# Altium PCB PCB-Tester-Board.PcbDoc (part 6 of 7) (continued)
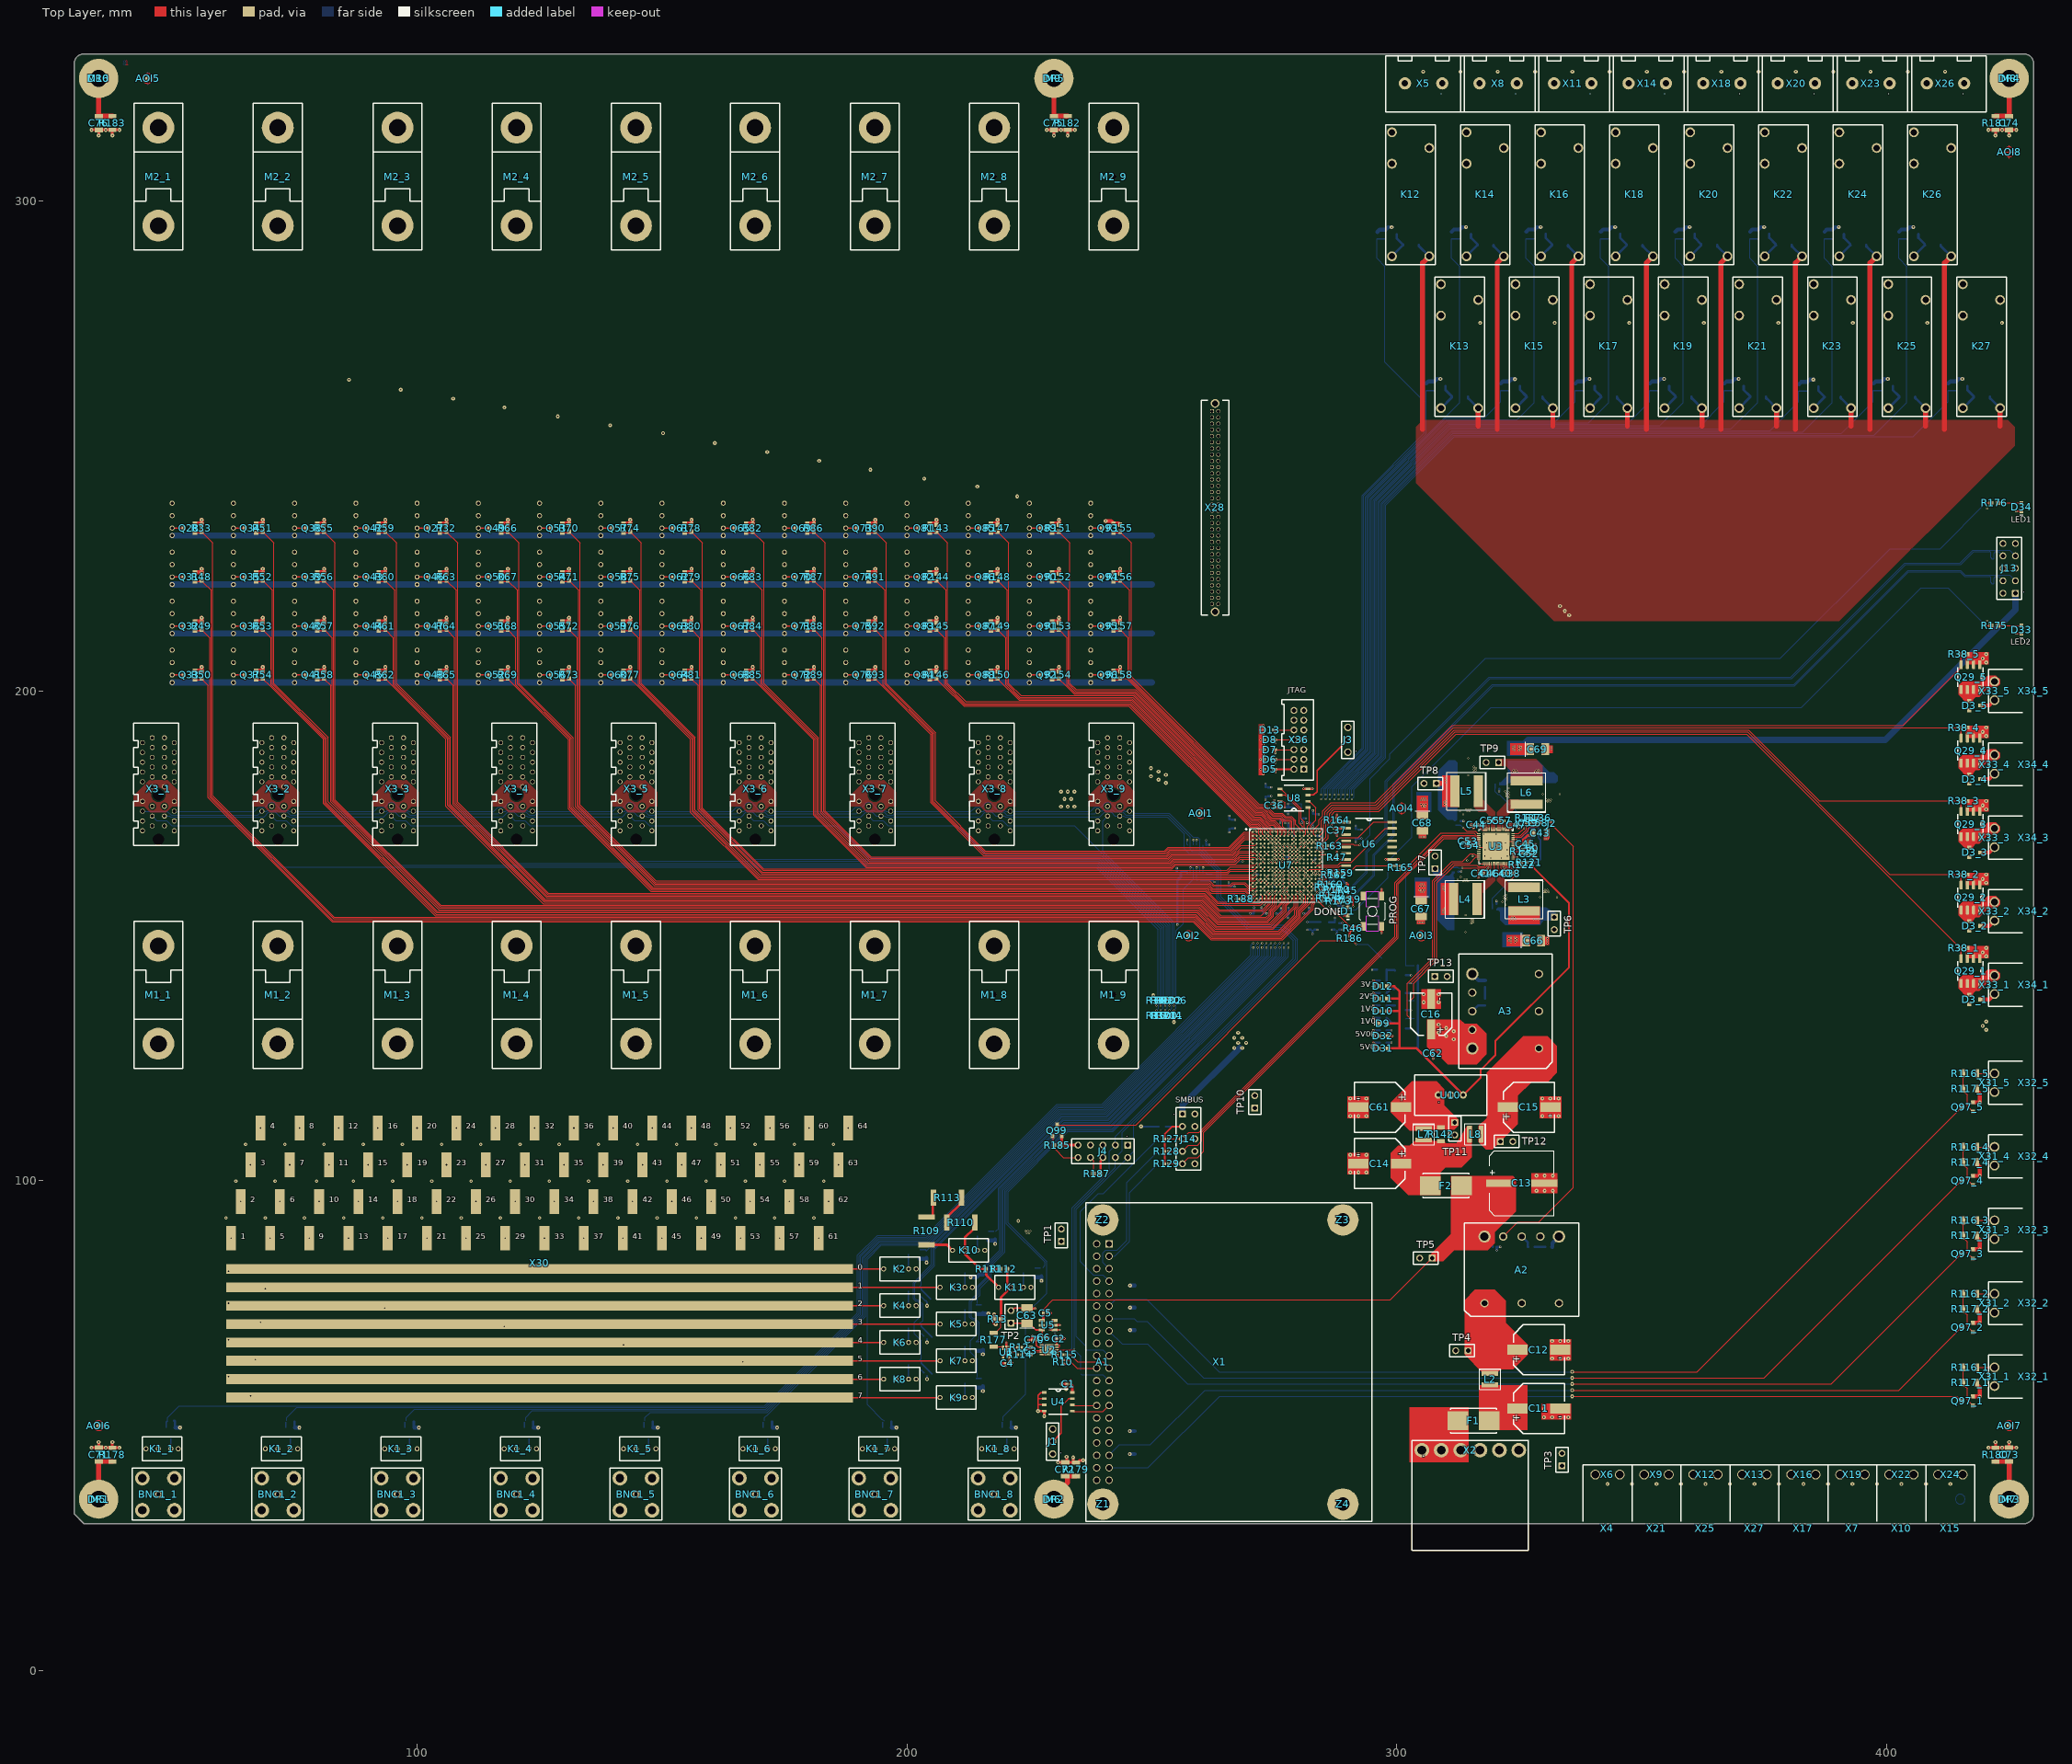
[diagram p0: Top Layer view]
## Nets (pads, with @x,y where several pads share a name; then routed paths per layer and width w, separated by ;. In a path a pad name is that pad's centre, name@x,y a point inside that pad or via, vN(x,y) a via of type N, cw(c..) or ccw(c..) an arc to the next point about the centre after c; other vN are vias at no path point) (continued)
NetK49_4: K49.4 X28.22 | length 173.8
  Inner4 w0.127: 261.645,243.75 262.903,243.75 X28.22@263.538,244.385
  Inner4 w0.203: K49.4@112.5,228.302 114.225,230.027 114.225,239.385 131.401,256.562 244.968,256.562 257.78,243.75 261.645,243.75
NetK50_2: K50.2 Q51.3 | length 2.4
  Top Layer w0.254: K50.2@112.5,213.222 Q51.3@114.85,213.222
NetK50_3: K50.3 X30.23 | length 115.2
  Inner3 w0.203: v2(106,103.25) 106,110.665 110.321,114.987 110.321,213.583 K50.3@112.5,215.762
NetK50_4: K50.4 X28.23 | length 181.8
  Inner3 w0.203: K50.4@112.5,218.302 114.679,220.481 114.679,239.197 131.589,256.108 244.78,256.108 257.773,243.115 X28.23@262.268,243.115
NetK51_2: K51.2 Q52.3 | length 2.4
  Top Layer w0.254: K51.2@112.5,203.222 Q52.3@114.85,203.222
NetK51_3: K51.3 X30.24 | length 96.9
  Inner4 w0.203: v2(108,110.75) 108,112.024 110.775,114.799 110.775,204.037 K51.3@112.5,205.762
NetK51_4: K51.4 X28.24 | length 192.8
  Inner4 w0.127: 261.645,242.48 262.903,242.48 X28.24@263.538,243.115
  Inner4 w0.203: K51.4@112.5,208.302 115.132,210.934 115.132,239.009 131.777,255.654 244.592,255.654 257.766,242.48 261.645,242.48
NetK52_2: K52.2 Q53.3 | length 2.4
  Top Layer w0.254: K52.2@125,233.222 Q53.3@127.35,233.222
NetK52_3: K52.3 X30.25 | length 153.7
  Inner3 w0.203: v2(110,88.25) 110,109.399 113.089,112.488 113.089,195.776 121.914,204.601 121.914,232.676 K52.3@125,235.762
NetK52_4: K52.4 X28.25 | length 149.8
  Inner3 w0.203: K52.4@125,238.302 126.271,239.573 141.899,255.201 244.404,255.201 257.76,241.845 X28.25@262.268,241.845
NetK53_2: K53.2 Q54.3 | length 2.4
  Top Layer w0.254: K53.2@125,223.222 Q54.3@127.35,223.222
NetK53_3: K53.3 X30.26 | length 135.4
  Inner4 w0.203: v2(112,95.75) 112,110.758 113.543,112.3 113.543,195.588 122.368,204.413 122.368,223.13 K53.3@125,225.762
NetK53_4: K53.4 X28.26 | length 160.8
  Inner4 w0.127: 261.645,241.21 262.903,241.21 X28.26@263.538,241.845
  Inner4 w0.203: K53.4@125,228.302 126.725,230.027 126.725,239.385 142.087,254.747 244.216,254.747 257.753,241.21 261.645,241.21
NetK54_2: K54.2 Q55.3 | length 2.4
  Top Layer w0.254: K54.2@125,213.222 Q55.3@127.35,213.222
NetK54_3: K54.3 X30.27 | length 117.1
  Inner3 w0.203: v2(114,103.25) 113.996,103.254 113.996,195.4 122.821,204.225 122.821,213.583 K54.3@125,215.762
NetK54_4: K54.4 X28.27 | length 168.8
  Inner3 w0.203: K54.4@125,218.302 127.179,220.481 127.179,239.197 142.275,254.293 244.028,254.293 257.747,240.575 X28.27@262.268,240.575
NetK55_2: K55.2 Q56.3 | length 2.4
  Top Layer w0.254: K55.2@125,203.222 Q56.3@127.35,203.222
NetK55_3: K55.3 X30.28 | length 100
  Inner4 w0.203: v2(116,110.75) 114.45,112.3 114.45,117.525 114.45,195.212 123.275,204.037 K55.3@125,205.762
NetK55_4: K55.4 X28.28 | length 179.9
  Inner4 w0.127: 261.645,239.94 262.903,239.94 X28.28@263.538,240.575
  Inner4 w0.203: K55.4@125,208.302 127.632,210.934 127.632,239.009 142.462,253.84 243.84,253.84 257.74,239.94 261.645,239.94
NetK56_2: K56.2 Q57.3 | length 2.4
  Top Layer w0.254: K56.2@137.5,233.222 Q57.3@139.85,233.222
NetK56_3: K56.3 X30.29 | length 155.6
  Inner3 w0.203: v2(118,88.25) 118,108.125 126.725,116.85 126.725,196.912 134.414,204.601 134.414,232.676 K56.3@137.5,235.762
NetK56_4: K56.4 X28.29 | length 136.8
  Inner3 w0.203: K56.4@137.5,238.302 138.771,239.573 152.584,253.386 243.653,253.386 257.734,239.305 X28.29@262.268,239.305
NetK57_2: K57.2 Q58.3 | length 2.4
  Top Layer w0.254: K57.2@137.5,223.222 Q58.3@139.85,223.222
NetK57_3: K57.3 X30.30 | length 137.3
  Inner4 w0.203: v2(120,95.75) 120,109.483 127.179,116.662 127.179,196.724 134.868,204.413 134.868,223.13 K57.3@137.5,225.762
NetK57_4: K57.4 X28.30 | length 147.9
  Inner4 w0.127: 261.645,238.67 262.903,238.67 X28.30@263.538,239.305
  Inner4 w0.203: K57.4@137.5,228.302 139.225,230.027 139.225,239.385 152.772,252.932 243.465,252.932 257.727,238.67 261.645,238.67
NetK58_2: K58.2 Q59.3 | length 2.4
  Top Layer w0.254: K58.2@137.5,213.222 Q59.3@139.85,213.222
NetK58_3: K58.3 X30.31 | length 118.9
  Inner3 w0.203: v2(122,103.25) 122,110.842 127.632,116.474 127.632,196.536 135.321,204.225 135.321,213.583 K58.3@137.5,215.762
NetK58_4: K58.4 X28.31 | length 155.9
  Inner3 w0.203: K58.4@137.5,218.302 139.679,220.481 139.679,239.197 152.96,252.479 243.277,252.479 257.72,238.035 X28.31@262.268,238.035
NetK59_2: K59.2 Q60.3 | length 2.4
  Top Layer w0.254: K59.2@137.5,203.222 Q60.3@139.85,203.222
NetK59_3: K59.3 X30.32 | length 100.6
  Inner4 w0.203: v2(124,110.75) 124,112.2 128.086,116.286 128.086,196.348 135.775,204.037 K59.3@137.5,205.762
NetK59_4: K59.4 X28.32 | length 166.9
  Inner4 w0.127: 261.645,237.4 262.903,237.4 X28.32@263.538,238.035
  Inner4 w0.203: K59.4@137.5,208.302 140.132,210.934 140.132,239.009 153.148,252.025 243.089,252.025 257.714,237.4 261.645,237.4
NetK60_2: K60.2 Q61.3 | length 2.4
  Top Layer w0.254: K60.2@150,233.222 Q61.3@152.35,233.222
NetK60_3: K60.3 X30.33 | length 157.5
  Inner3 w0.203: v2(126,88.25) 126,108.037 130.639,112.676 130.639,188.326 146.914,204.601 146.914,232.676 K60.3@150,235.762
NetK60_4: K60.4 X28.33 | length 123.9
  Inner3 w0.203: K60.4@150,238.302 163.269,251.571 242.901,251.571 257.707,236.765 X28.33@262.268,236.765
NetK61_2: K61.2 Q62.3 | length 2.4
  Top Layer w0.254: K61.2@150,223.222 Q62.3@152.35,223.222
NetK61_3: K61.3 X30.34 | length 139.1
  Inner4 w0.203: v2(128,95.75) 128,109.395 131.093,112.488 131.093,188.138 147.368,204.413 147.368,223.13 K61.3@150,225.762
NetK61_4: K61.4 X28.34 | length 134.9
  Inner4 w0.127: 261.645,236.13 262.903,236.13 X28.34@263.538,236.765
  Inner4 w0.203: K61.4@150,228.302 151.725,230.027 151.725,239.385 163.457,251.118 242.713,251.118 257.701,236.13 261.645,236.13
NetK62_2: K62.2 Q63.3 | length 2.4
  Top Layer w0.254: K62.2@150,213.222 Q63.3@152.35,213.222
NetK62_3: K62.3 X30.35 | length 120.8
  Inner3 w0.203: v2(130,103.25) 130,110.753 131.546,112.3 131.546,187.95 147.821,204.225 147.821,213.583 K62.3@150,215.762
NetK62_4: K62.4 X28.35 | length 142.9
  Inner3 w0.203: K62.4@150,218.302 152.179,220.481 152.179,239.197 163.645,250.664 242.525,250.664 257.694,235.495 X28.35@262.268,235.495
NetK63_2: K63.2 Q64.3 | length 2.4
  Top Layer w0.254: K63.2@150,203.222 Q64.3@152.35,203.222
NetK63_3: K63.3 X30.36 | length 102.5
  Inner4 w0.203: v2(132,110.75) 132,120.858 132,187.762 148.275,204.037 K63.3@150,205.762
NetK63_4: K63.4 X28.36 | length 154
  Inner4 w0.127: 261.645,234.86 262.903,234.86 X28.36@263.538,235.495
  Inner4 w0.203: K63.4@150,208.302 152.632,210.934 152.632,239.009 163.833,250.21 242.337,250.21 257.688,234.86 261.645,234.86
NetK64_2: K64.2 Q65.3 | length 2.4
  Top Layer w0.254: K64.2@162.5,233.222 Q65.3@164.85,233.222
NetK64_3: K64.3 X30.37 | length 159.3
  Inner3 w0.203: v2(134,88.25) 134,112.25 135.546,113.796 135.546,151.763 153.412,169.628 153.412,198.598 159.414,204.601 159.414,232.676 K64.3@162.5,235.762
NetK64_4: K64.4 X28.37 | length 110.9
  Inner3 w0.203: K64.4@162.5,238.302 173.955,249.757 242.149,249.757 257.681,234.225 X28.37@262.268,234.225
NetK65_2: K65.2 Q66.3 | length 2.4
  Top Layer w0.254: K65.2@162.5,223.222 Q66.3@164.85,223.222
NetK65_3: K65.3 X30.38 | length 141
  Inner4 w0.203: v2(136,95.75) 136,151.575 153.865,169.44 153.865,198.41 159.868,204.413 159.868,223.13 K65.3@162.5,225.762
NetK65_4: K65.4 X28.38 | length 122
  Inner4 w0.127: 261.645,233.59 262.903,233.59 X28.38@263.538,234.225
  Inner4 w0.203: K65.4@162.5,228.302 164.225,230.027 164.225,239.385 174.143,249.303 241.961,249.303 257.675,233.59 261.645,233.59
NetK66_2: K66.2 Q67.3 | length 2.4
  Top Layer w0.254: K66.2@162.5,213.222 Q67.3@164.85,213.222
NetK66_3: K66.3 X30.39 | length 123.9
  Inner3 w0.203: v2(138,103.25) 138,112.108 136.454,113.655 136.454,151.387 154.319,169.252 154.319,198.222 160.321,204.225 160.321,213.583 K66.3@162.5,215.762
NetK66_4: K66.4 X28.39 | length 130
  Inner3 w0.203: K66.4@162.5,218.302 164.679,220.481 164.679,239.197 174.331,248.849 241.773,248.849 257.668,232.955 X28.39@262.268,232.955
NetK67_2: K67.2 Q68.3 | length 2.4
  Top Layer w0.254: K67.2@162.5,203.222 Q68.3@164.85,203.222
NetK67_3: K67.3 X30.40 | length 106.9
  Inner4 w0.203: v2(140,110.75) 136.907,113.843 136.907,151.199 154.773,169.064 154.773,198.035 K67.3@162.5,205.762
NetK67_4: K67.4 X28.40 | length 141
  Inner4 w0.127: 261.645,232.32 262.903,232.32 X28.40@263.538,232.955
  Inner4 w0.203: K67.4@162.5,208.302 165.132,210.934 165.132,239.009 174.519,248.396 241.586,248.396 257.661,232.32 261.645,232.32
NetK68_2: K68.2 Q69.3 | length 2.4
  Top Layer w0.254: K68.2@175,233.222 Q69.3@177.35,233.222
NetK68_3: K68.3 X30.41 | length 161.2
  Inner3 w0.203: v2(142,88.25) 142,107.7 152.178,117.878 152.178,153.837 158.099,159.758 158.099,190.786 171.914,204.601 171.914,232.676 K68.3@175,235.762
NetK68_4: K68.4 X28.41 | length 98
  Inner3 w0.203: K68.4@175,238.302 176.271,239.573 184.64,247.942 241.398,247.942 257.655,231.685 X28.41@262.268,231.685
NetK69_2: K69.2 Q70.3 | length 2.4
  Top Layer w0.254: K69.2@175,223.222 Q70.3@177.35,223.222
NetK69_3: K69.3 X30.42 | length 142.9
  Inner4 w0.203: v2(144,95.75) 144,109.058 152.631,117.69 152.632,153.649 158.553,159.57 158.553,190.598 172.368,204.413 172.368,223.13 K69.3@175,225.762
NetK69_4: K69.4 X28.42 | length 109
  Inner4 w0.127: 261.645,231.05 262.903,231.05 X28.42@263.538,231.685
  Inner4 w0.203: K69.4@175,228.302 176.725,230.027 176.725,239.385 184.828,247.489 241.21,247.489 257.648,231.05 261.645,231.05
NetK70_2: K70.2 Q71.3 | length 2.4
  Top Layer w0.254: K70.2@175,213.222 Q71.3@177.35,213.222
NetK70_3: K70.3 X30.43 | length 124.5
  Inner3 w0.203: v2(146,103.25) 146,110.417 153.085,117.502 153.085,153.461 159.006,159.382 159.006,190.41 172.821,204.225 172.821,213.583 K70.3@175,215.762
NetK70_4: K70.4 X28.43 | length 117
  Inner3 w0.203: K70.4@175,218.302 177.179,220.481 177.179,239.197 185.016,247.035 241.022,247.035 257.642,230.415 X28.43@262.268,230.415
NetK71_2: K71.2 Q72.3 | length 2.4
  Top Layer w0.254: K71.2@175,203.222 Q72.3@177.35,203.222
NetK71_3: K71.3 X30.44 | length 106.2
  Inner4 w0.203: v2(148,110.75) 148,111.775 153.539,117.314 153.539,153.273 159.46,159.194 159.46,190.222 K71.3@175,205.762
NetK71_4: K71.4 X28.44 | length 128.1
  Inner4 w0.127: 261.645,229.78 262.903,229.78 X28.44@263.538,230.415
  Inner4 w0.203: K71.4@175,208.302 177.632,210.934 177.632,239.009 185.204,246.581 240.834,246.581 257.635,229.78 261.645,229.78
NetK72_2: K72.2 Q73.3 | length 2.4
  Top Layer w0.254: K72.2@187.5,233.222 Q73.3@189.85,233.222
NetK72_3: K72.3 X30.45 | length 163
  Inner3 w0.203: v2(150,88.25) 150,107.75 156.222,113.972 156.222,151.422 176.117,171.317 176.117,196.304 184.414,204.601 184.414,232.676 K72.3@187.5,235.762
NetK72_4: K72.4 X28.45 | length 85
  Inner3 w0.203: K72.4@187.5,238.302 195.326,246.128 240.646,246.128 257.629,229.145 X28.45@262.268,229.145
NetK73_2: K73.2 Q74.3 | length 2.4
  Top Layer w0.254: K73.2@187.5,223.222 Q74.3@189.85,223.222
NetK73_3: K73.3 X30.46 | length 144.7
  Inner4 w0.203: v2(152,95.75) 152,109.108 156.676,113.784 156.676,151.234 176.571,171.129 176.571,196.116 184.868,204.413 184.868,223.13 K73.3@187.5,225.762
NetK73_4: K73.4 X28.46 | length 96.1
  Inner4 w0.127: 261.645,228.51 262.903,228.51 X28.46@263.538,229.145
  Inner4 w0.203: K73.4@187.5,228.302 189.225,230.027 189.225,239.385 195.513,245.674 240.458,245.674 257.622,228.51 261.645,228.51
NetK74_2: K74.2 Q75.3 | length 2.4
  Top Layer w0.254: K74.2@187.5,213.222 Q75.3@189.85,213.222
NetK74_3: K74.3 X30.47 | length 126.4
  Inner3 w0.203: v2(154,103.25) 154,110.467 157.129,113.596 157.129,151.046 177.024,170.941 177.024,195.928 185.321,204.225 185.321,213.583 K74.3@187.5,215.762
NetK74_4: K74.4 X28.47 | length 104.1
  Inner3 w0.203: K74.4@187.5,218.302 189.679,220.481 189.679,239.197 195.701,245.22 240.27,245.22 257.615,227.875 X28.47@262.268,227.875
NetK75_2: K75.2 Q76.3 | length 2.4
  Top Layer w0.254: K75.2@187.5,203.222 Q76.3@189.85,203.222
NetK75_3: K75.3 X30.48 | length 108.1
  Inner4 w0.203: v2(156,110.75) 156,111.825 157.583,113.408 157.583,150.858 177.478,170.753 177.478,195.74 K75.3@187.5,205.762
NetK75_4: K75.4 X28.48 | length 115.1
  Inner4 w0.127: 261.645,227.24 262.903,227.24 X28.48@263.538,227.875
  Inner4 w0.203: K75.4@187.5,208.302 190.132,210.934 190.132,239.009 195.889,244.767 240.082,244.767 257.609,227.24 261.645,227.24
NetK76_2: K76.2 Q81.3 | length 2.4
  Top Layer w0.254: K76.2@200,233.222 Q81.3@202.35,233.222
NetK76_3: K76.3 X30.49 | length 164.9
  Inner3 w0.203: v2(158,88.25) 158,109.517 161.093,112.609 161.093,150.497 179.725,169.13 179.725,187.411 191.542,199.228 196.914,204.601 196.914,232.676 K76.3@200,235.762
NetK76_4: K76.4 X28.49 | length 72.1
  Inner3 w0.203: K76.4@200,238.302 201.271,239.573 206.011,244.313 239.894,244.313 257.602,226.605 X28.49@262.268,226.605
NetK77_2: K77.2 Q82.3 | length 2.4
  Top Layer w0.254: K77.2@200,223.222 Q82.3@202.35,223.222
NetK77_3: K77.3 X30.50 | length 146.6
  Inner4 w0.203: v2(160,95.75) 160,110.875 161.546,112.421 161.546,150.31 180.178,168.942 180.178,187.224 191.729,198.775 197.368,204.413 197.368,223.13 K77.3@200,225.762
NetK77_4: K77.4 X28.50 | length 83.1
  Inner4 w0.127: 261.645,225.97 262.903,225.97 X28.50@263.538,226.605
  Inner4 w0.203: K77.4@200,228.302 201.725,230.027 201.725,239.385 206.199,243.859 239.706,243.859 257.596,225.97 261.645,225.97
NetK78_2: K78.2 Q83.3 | length 2.4
  Top Layer w0.254: K78.2@200,213.222 Q83.3@202.35,213.222
NetK78_3: K78.3 X30.51 | length 128.3
  Inner3 w0.203: v2(162,103.25) 162,150.122 180.632,168.754 180.632,187.036 191.917,198.321 197.821,204.225 197.821,213.583 K78.3@200,215.762
NetK78_4: K78.4 X28.51 | length 91.1
  Inner3 w0.203: K78.4@200,218.302 202.179,220.481 202.179,239.197 206.387,243.406 239.519,243.406 257.589,225.335 X28.51@262.268,225.335
NetK79_2: K79.2 Q84.3 | length 2.4
  Top Layer w0.254: K79.2@200,203.222 Q84.3@202.35,203.222
NetK79_3: K79.3 X30.52 | length 111.2
  Inner4 w0.203: v2(164,110.75) 162.454,112.296 162.454,149.934 181.086,168.566 181.086,186.848 198.275,204.037 K79.3@200,205.762
NetK79_4: K79.4 X28.52 | length 102.2
  Inner4 w0.127: 261.645,224.7 262.903,224.7 X28.52@263.538,225.335
  Inner4 w0.203: K79.4@200,208.302 202.632,210.934 202.632,239.009 206.575,242.952 239.331,242.952 257.583,224.7 261.645,224.7
NetK80_2: K80.2 Q85.3 | length 2.4
  Top Layer w0.254: K80.2@212.5,233.222 Q85.3@214.85,233.222
NetK80_3: K80.3 X30.53 | length 166.8
  Inner3 w0.203: v2(166,88.25) 166,107.8 178.069,119.869 178.069,148.334 202.243,172.508 202.243,197.43 209.414,204.601 209.414,232.676 K80.3@212.5,235.762
NetK80_4: K80.4 X28.53 | length 59.1
  Inner3 w0.203: K80.4@212.5,238.302 213.771,239.573 216.696,242.498 239.143,242.498 257.576,224.065 X28.53@262.268,224.065
NetK81_2: K81.2 Q86.3 | length 2.4
  Top Layer w0.254: K81.2@212.5,223.222 Q86.3@214.85,223.222
NetK81_3: K81.3 X30.54 | length 148.4
  Inner4 w0.203: v2(168,95.75) 168,109.158 178.523,119.681 178.523,148.146 202.697,172.32 202.697,197.242 209.868,204.413 209.868,223.13 K81.3@212.5,225.762
NetK81_4: K81.4 X28.54 | length 70.2
  Inner4 w0.127: 261.645,223.43 262.903,223.43 X28.54@263.538,224.065
  Inner4 w0.203: K81.4@212.5,228.302 214.225,230.027 214.225,239.385 216.884,242.045 238.955,242.045 257.569,223.43 261.645,223.43
NetK82_2: K82.2 Q87.3 | length 2.4
  Top Layer w0.254: K82.2@212.5,213.222 Q87.3@214.85,213.222
NetK82_3: K82.3 X30.55 | length 130.1
  Inner3 w0.203: v2(170,103.25) 170,110.517 178.976,119.493 178.976,147.958 203.15,172.132 203.15,197.054 210.321,204.225 210.321,213.583 K82.3@212.5,215.762
NetK82_4: K82.4 X28.55 | length 78.2
  Inner3 w0.203: K82.4@212.5,218.302 214.679,220.481 214.679,239.197 217.072,241.591 238.767,241.591 257.563,222.795 X28.55@262.268,222.795
NetK83_2: K83.2 Q88.3 | length 2.4
  Top Layer w0.254: K83.2@212.5,203.222 Q88.3@214.85,203.222
NetK83_3: K83.3 X30.56 | length 111.8
  Inner4 w0.203: v2(172,110.75) 172,111.875 179.43,119.305 179.43,147.77 203.604,171.944 203.604,196.866 210.775,204.037 K83.3@212.5,205.762
NetK83_4: K83.4 X28.56 | length 89.2
  Inner4 w0.127: 261.645,222.16 262.903,222.16 X28.56@263.538,222.795
  Inner4 w0.203: K83.4@212.5,208.302 215.132,210.934 215.132,239.009 217.26,241.137 238.579,241.137 257.556,222.16 261.645,222.16
NetK84_2: K84.2 Q89.3 | length 2.4
  Top Layer w0.254: K84.2@225,233.222 Q89.3@227.35,233.222
NetK84_3: K84.3 X30.57 | length 168.6
  Inner3 w0.203: v2(174,88.25) 174,108 182.462,116.462 182.462,147.506 206.714,171.757 206.714,189.4 221.914,204.601 221.914,232.676 K84.3@225,235.762
NetK84_4: K84.4 X28.57 | length 46.2
  Inner3 w0.203: K84.4@225,238.302 227.382,240.684 238.391,240.684 257.55,221.525 X28.57@262.268,221.525
NetK85_2: K85.2 Q90.3 | length 2.4
  Top Layer w0.254: K85.2@225,223.222 Q90.3@227.35,223.222
NetK85_3: K85.3 X30.58 | length 150.3
  Inner4 w0.203: v2(176,95.75) 176,109.358 182.916,116.274 182.916,147.318 207.167,171.569 207.167,189.212 222.368,204.413 222.368,223.13 K85.3@225,225.762
NetK85_4: K85.4 X28.58 | length 57.2
  Inner4 w0.127: 261.645,220.89 262.903,220.89 X28.58@263.538,221.525
  Inner4 w0.203: K85.4@225,228.302 226.725,230.027 226.725,239.385 227.57,240.23 238.203,240.23 257.543,220.89 261.645,220.89
NetK86_2: K86.2 Q91.3 | length 2.4
  Top Layer w0.254: K86.2@225,213.222 Q91.3@227.35,213.222
NetK86_3: K86.3 X30.59 | length 132
  Inner3 w0.203: v2(178,103.25) 178,110.717 183.369,116.086 183.369,147.13 207.621,171.381 207.621,189.024 222.821,204.225 222.821,213.583 K86.3@225,215.762
NetK86_4: K86.4 X28.59 | length 65.2
  Inner3 w0.203: K86.4@225,218.302 227.179,220.481 227.179,239.197 227.757,239.776 238.015,239.776 257.537,220.255 X28.59@262.268,220.255
NetK87_2: K87.2 Q92.3 | length 2.4
  Top Layer w0.254: K87.2@225,203.222 Q92.3@227.35,203.222
NetK87_3: K87.3 X30.60 | length 113.7
  Inner4 w0.203: v2(180,110.75) 180,112.075 183.823,115.898 183.823,146.942 208.074,171.193 208.074,188.836 223.275,204.037 K87.3@225,205.762
NetK87_4: K87.4 X28.60 | length 76.3
  Inner4 w0.127: 261.645,219.62 262.903,219.62 X28.60@263.538,220.255
  Inner4 w0.203: K87.4@225,208.302 227.632,210.934 227.632,239.009 227.945,239.323 237.827,239.323 257.53,219.62 261.645,219.62
NetK88_2: K88.2 Q93.3 | length 2.4
  Top Layer w0.254: K88.2@237.5,233.222 Q93.3@239.85,233.222
NetK88_3: K88.3 X30.61 | length 170.5
  Inner3 w0.203: v2(182,88.25) 182,107.941 204.133,130.074 204.133,147.781 228.381,172.028 228.381,198.568 234.414,204.601 234.414,232.676 K88.3@237.5,235.762
NetK88_4: K88.4 X28.61 | length 32.8
  Inner3 w0.203: K88.4@237.5,238.302 238.206,238.302 257.523,218.985 X28.61@262.268,218.985
NetK89_2: K89.2 Q94.3 | length 2.4
  Top Layer w0.254: K89.2@237.5,223.222 Q94.3@239.85,223.222
NetK89_3: K89.3 X30.62 | length 152.2
  Inner4 w0.203: v2(184,95.75) 184,109.299 204.587,129.886 204.587,147.593 228.835,171.84 228.835,198.38 234.868,204.413 234.868,223.13 K89.3@237.5,225.762
NetK89_4: K89.4 X28.62 | length 30.4
  Inner4 w0.127: 261.645,218.35 262.903,218.35 X28.62@263.538,218.985
  Inner4 w0.203: K89.4@237.5,228.302 247.565,228.302 257.517,218.35 261.645,218.35
NetK90_2: K90.2 Q95.3 | length 2.4
  Top Layer w0.254: K90.2@237.5,213.222 Q95.3@239.85,213.222
NetK90_3: K90.3 X30.63 | length 133.8
  Inner3 w0.203: v2(186,103.25) 186,110.658 205,129.658 205,147.364 229.288,171.653 229.288,198.192 235.321,204.225 235.321,213.583 K90.3@237.5,215.762
NetK90_4: K90.4 X28.63 | length 25
  Inner3 w0.203: K90.4@237.5,218.302 238.087,217.715 X28.63@262.268,217.715
NetK91_2: K91.2 Q96.3 | length 2.4
  Top Layer w0.254: K91.2@237.5,203.222 Q96.3@239.85,203.222
NetK91_3: K91.3 X30.64 | length 115.5
  Inner4 w0.203: v2(188,110.75) 188,112.016 205.494,129.511 205.494,147.217 229.742,171.465 229.742,198.004 K91.3@237.5,205.762
NetK91_4: K91.4 X28.64 | length 32.8
  Inner4 w0.203: K91.4@237.5,208.302 257.629,208.302 264.516,215.189 264.516,216.737 X28.64@263.538,217.715
NetPROG_1: PROG.1 R46.1 U7.P9 | length 21
  Top Layer w0.152: v1(276.6,160.4) U7.P9@277,160.8 ; v1(286.278,156) 290.378,151.9 R46.1@291.1,151.9
  Top Layer w0.254: R46.1@291.1,151.9 PROG.1@293.15,151.9
  Inner2 w0.152: v1(276.6,160.4) 277.458,160.4 278.338,159.521 280.638,159.521 281.079,159.08 281.079,158.5 282.018,157.561 283.078,157.561 284.639,156 v1(286.278,156)
NetPROG_2: PROG.2
NetQ30_3: Q30.3 R99.1 | length 2.2
  Bottom Layer w0.47: R99.1@297.867,133.235 298.032,133.07 298.095,133.07 298.92,132.245 299.435,132.245 Q30.3@299.6,132.08
NetQ78_3: Q78.3 R101.1 | length 1.7
  Bottom Layer w0.47: R101.1@297.867,135.775 297.878,135.763 Q78.3@299.6,135.763
NetQ79_3: Q79.3 R103.1 | length 2.1
  Bottom Layer w0.47: R103.1@297.867,138.315 298.032,138.48 298.097,138.48 298.805,139.188 299.488,139.188 Q79.3@299.6,139.3
NetQ80_3: Q80.3 Q98.1 R105.1 | length 4.1
  Bottom Layer w0.47: R105.1@297.867,140.855 297.867,142.9 Q98.1@297.867,143.1 298.004,142.963 299.537,142.963 Q80.3@299.6,142.9
NetQ97_1_1: Q97_1.1 R116_1.2 R117_1.2 | length 8.7
  Top Layer w0.152: R116_1.2@415.6,61.905 R117_1.2@415.6,58.802 415.949,58.453 415.949,58.047 416.428,57.568 416.428,55.222 417.55,54.1 Q97_1.1@417.6,54.1
NetQ97_2_1: Q97_2.1 R116_2.2 R117_2.2 | length 8.6
  Top Layer w0.152: R116_2.2@415.6,76.905 R117_2.2@415.6,73.802 415.949,73.453 415.949,73.047 416.428,72.568 416.428,70.222 Q97_2.1@417.55,69.1
NetQ97_3_1: Q97_3.1 R116_3.2 R117_3.2 | length 8.6
  Top Layer w0.152: R116_3.2@415.6,91.905 R117_3.2@415.6,88.802 415.949,88.453 415.949,88.047 416.428,87.568 416.428,85.222 Q97_3.1@417.55,84.1
NetQ97_4_1: Q97_4.1 R116_4.2 R117_4.2 | length 8.6
  Top Layer w0.152: R116_4.2@415.6,106.905 R117_4.2@415.6,103.802 415.949,103.453 415.949,103.047 416.428,102.568 416.428,100.222 Q97_4.1@417.55,99.1
NetQ97_5_1: Q97_5.1 R116_5.2 R117_5.2 | length 8.6
  Top Layer w0.152: R116_5.2@415.6,121.905 R117_5.2@415.6,118.802 415.949,118.453 415.949,118.047 416.428,117.568 416.428,115.222 Q97_5.1@417.55,114.1
NetR12_2: R12.2 U1.1 U1.4 | length 4.3
  Top Layer w0.127: U1.1@220.9,65.9 222.581,65.9 R12.2@222.637,65.956
  Top Layer w0.152: U1.4@219.6,64.1 219.6,64.222 219.759,64.381 220.05,64.381 220.9,65.231 U1.1@220.9,65.9
NetR39_1: R39.1 R40.2 | length 2.1
  Bottom Layer w0.508: R39.1@328.2,86.5 R40.2@330.3,86.5
NetR41_1: R41.1 R42.2 | length 2.3
  Bottom Layer w0.508: R41.1@318,137.2 R42.2@318,139.5
NetR43_1: R43.1 Y1.3 | length 1.4
  Bottom Layer w0.152: Y1.3@278.975,173.95 278.984,173.941 R43.1@278.984,172.55
NetR44_1: R44.1 U7.P7 | length 1.3
  Top Layer w0.152: v1(275,160.4) U7.P7@275.4,160.8
  Bottom Layer w0.203: v1(275,160.4) 275,159.8 R44.1@275.1,159.7
NetR45_1: R45.1 R119.1 U7.P10 | length 19.9
  Top Layer w0.152: U7.P10@277.8,160.8 v1(278.2,160.4)
  Top Layer w0.254: R45.1@290,158.8 R119.1@290,157.9 290.7,157.9 291.1,157.5 v1(291.1,156)
  Inner2 w0.152: v1(278.2,160.4) 278.745,159.855 280.855,159.855 281.068,160.068 281.746,160.068 282.699,159.115 282.699,158.45 284.566,156.583 286.517,156.583 287.6,155.5 290.6,155.5 v1(291.1,156)
NetR47_1: R47.1 U6.7 U7.L13 | length 11.1
  Top Layer w0.152: U7.L13@280.2,163.2 v1(280.6,163.6) ; v1(286.1,165.6) R47.1@287.8,165.6 287.817,165.583 U6.7@289.65,165.583
  Inner2 w0.152: v1(280.6,163.6) 281.175,164.175 285.837,164.175 286.1,164.438 v1(286.1,165.6)
NetR94_1: R94.1 R95.2 U3.41 | length 13.4
  Top Layer w0.152: U3.41@322.453,164.747 322.453,164.301 322.616,164.138 323.966,164.138 324.714,163.39 324.714,162.423 324.405,162.114 323.99,162.114 v1(323.375,161.499)
  Bottom Layer w0.152: R95.2@319.533,156.481 319.533,157.657 v1(323.375,161.499)
  Bottom Layer w0.254: R94.1@319.533,155.481 R95.2@319.533,156.481
NetR96_1: R96.1 R97.2 U3.31 | length 7.6
  Top Layer w0.152: v1(313.328,163.855) 318.008,163.855 318.448,164.295 318.448,164.748 U3.31@318.45,164.75
  Bottom Layer w0.152: R97.2@312.5,163.9 312.545,163.855 v1(313.328,163.855)
  Bottom Layer w0.254: R96.1@311.5,163.9 R97.2@312.5,163.9
NetR107_2: R107.2 X1.19 | length 5.5
  Bottom Layer w0.152: R107.2@236.3,65.6 236.4,65.5 240.034,65.5 X1.19@241.264,64.27
NetR108_2: R108.2 X1.23 | length 6.3
  Bottom Layer w0.152: R108.2@235.5,60.58 235.66,60.42 240.034,60.42 X1.23@241.264,59.19
NetR109_1: R109.1 R113.2 | length 5
  Top Layer w0.508: R109.1@204,92.6 204.947,92.6 205.243,92.896 205.243,96.343 R113.2@205.4,96.5
NetR110_1: R110.1 R113.1 | length 6.3
  Top Layer w0.508: R110.1@208.15,91.5 208.15,92.6 208.446,92.896 208.534,92.896 210.742,95.104 210.804,95.104 211.1,95.4 R113.1@211.1,96.5
NetR111_1: R111.1 R112.1 | length 1.6
  Top Layer w0.508: R111.1@217.45,82 R112.1@219.05,82
NetR115_1: R115.1 U2.7 | length 1.6
  Top Layer w0.152: U2.7@230.5,65 231.35,65 R115.1@231.85,64.5
NetR116_1_1: R116_1.1 X31_1.2 | length 3.6
  Top Layer w0.203: R116_1.1@418.4,61.905 X31_1.2@422,61.905
NetR116_2_1: R116_2.1 X31_2.2 | length 3.6
  Top Layer w0.203: R116_2.1@418.4,76.905 X31_2.2@422,76.905
NetR116_3_1: R116_3.1 X31_3.2 | length 3.6
  Top Layer w0.203: R116_3.1@418.4,91.905 X31_3.2@422,91.905
NetR116_4_1: R116_4.1 X31_4.2 | length 3.6
  Top Layer w0.203: R116_4.1@418.4,106.905 X31_4.2@422,106.905
NetR116_5_1: R116_5.1 X31_5.2 | length 3.6
  Top Layer w0.203: R116_5.1@418.4,121.905 X31_5.2@422,121.905
NetR118_2: R118.2 U11.8 | length 1.4
  Bottom Layer w0.152: U11.8@261.1,162.85 261.1,162.691 261.191,162.6 R118.2@262.299,162.6
NetR121_1: R121.1 R122.1 U3.42 | length 4.2
  Top Layer w0.152: U3.42@322.85,164.75 322.85,164.515 322.884,164.481 324.819,164.481 325.086,164.748 325.348,164.748 R122.1@325.5,164.9 325.6,165 R121.1@326.6,165
NetR125_1: R125.1 R126.1 U3.44 | length 8.2
  Top Layer w0.152: U3.44@323.75,166.05 v1(324.644,166.05)
  Bottom Layer w0.152: v1(324.644,166.05) 324.641,166.053 324.347,166.053 R126.1@323.9,166.5 324.611,167.211 324.611,167.814 325.206,168.409 325.206,169.048 325.411,169.254 325.737,169.254 326.483,170 R125.1@328.1,170
NetR130_1: R130.1 R134.2 U3.15 | length 5.5
  Top Layer w0.152: v1(313.526,172.075) 314.254,171.348 316,171.348 316.464,170.884 316.716,170.884 U3.15@316.75,170.85
  Bottom Layer w0.152: R134.2@312.995,172.612 313.194,172.413 313.194,172.407 v1(313.526,172.075)
  Bottom Layer w0.254: R130.1@311.995,172.612 R134.2@312.995,172.612
NetR132_1: R132.1 R133.1 U3.51 | length 6.3
  Top Layer w0.152: U3.51@323.75,168.85 323.773,168.873 324.184,168.873 324.352,169.04 324.514,169.04 v1(324.561,169.088)
  Bottom Layer w0.152: R133.1@323.717,168.494 323.915,168.693 324.285,169.063 324.536,169.063 v1(324.561,169.088) 324.559,169.088 325.101,169.63 325.42,169.63 326.79,171 R132.1@328.1,171
NetR135_1: R135.1 R141.2 U3.56 | length 14.4
  Top Layer w0.152: U3.56@323.75,170.85 324.895,170.85 v1@325.957,171.912
  Bottom Layer w0.152: R141.2@320.074,180.051 320.074,179.435 320.613,178.895 320.926,178.895 325.95,173.871 v1@325.95,171.918
  Bottom Layer w0.254: R141.2@320.074,180.051 R135.1@320.074,181.051
  other v1: 325.95,171.912